# Altium PCB STM32F427IIH6.PcbDoc (part 1 of 3) (continued)
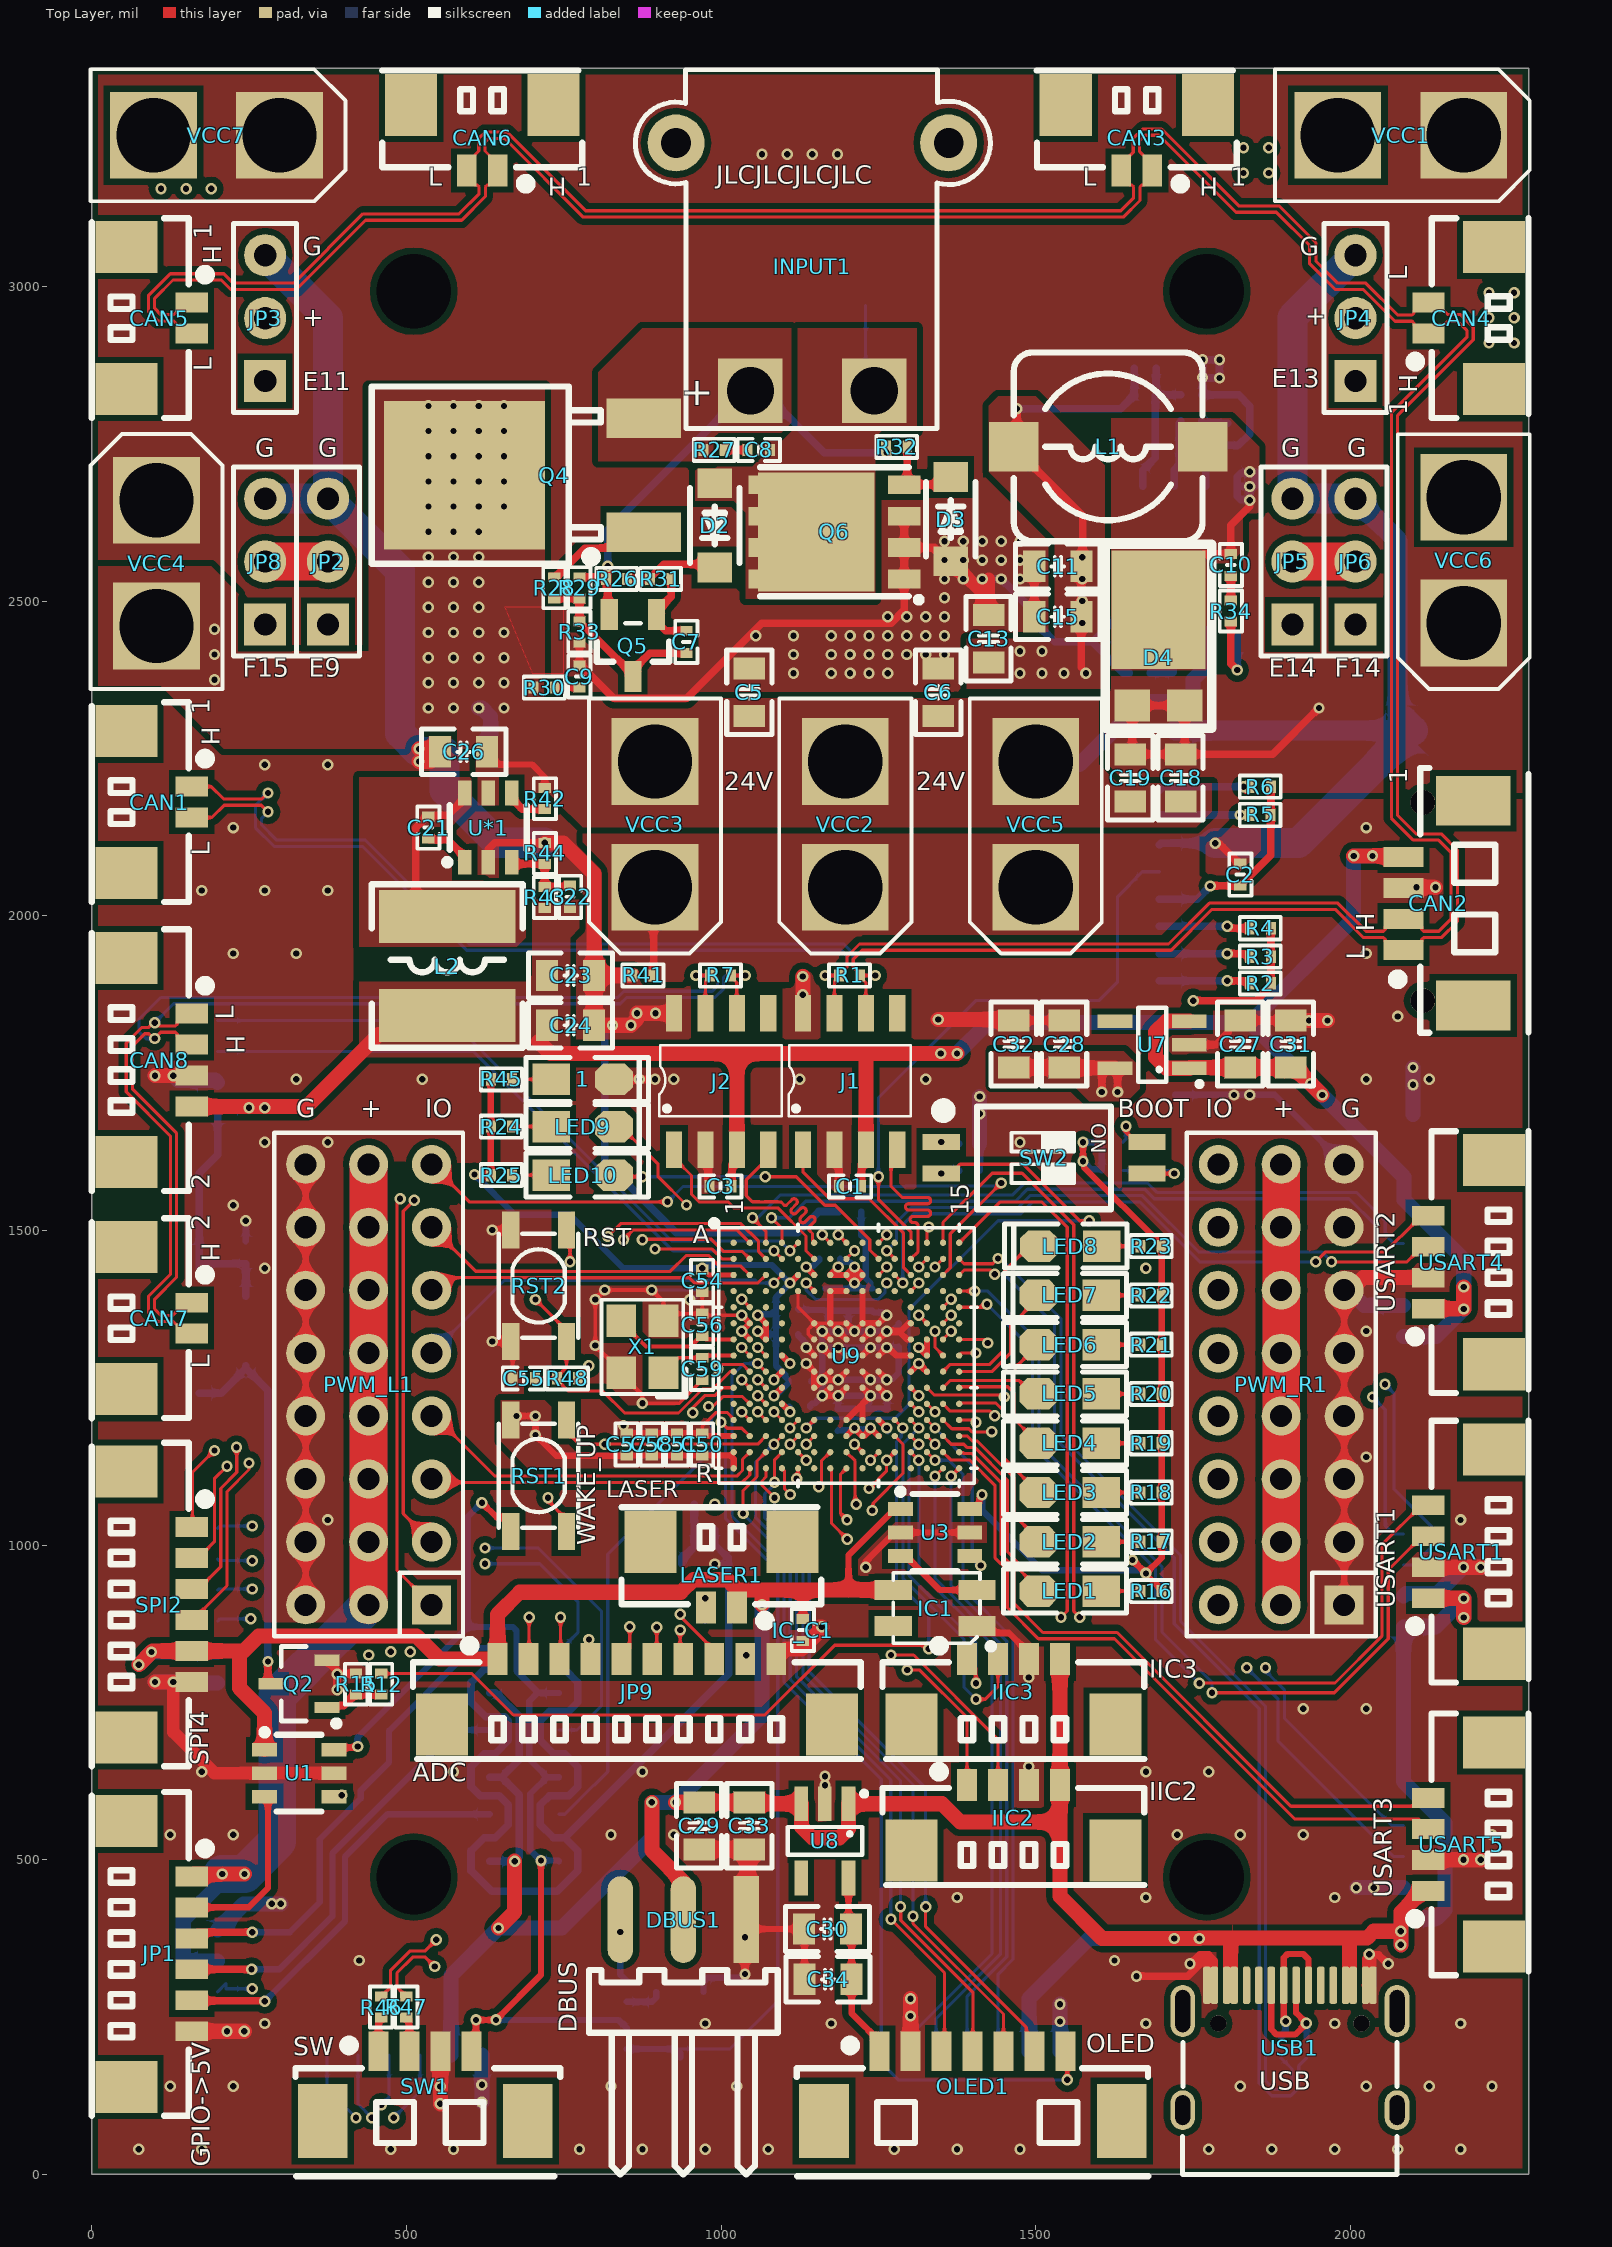
[diagram p0: Top Layer view]
## Components (designator, comment, footprint, x,y, rotation, side; value= is the part's Value field where it differs from the comment)
1 "3V3" "LED 0805R" 780,1740 r0 top
C1 "0.1uF" "C 0402_L" 1205,1570 r0 top
C2 "10uF" "C 0402_L" 1825,2065.31 r270 top
C3 "0.1uF" "C 0402_L" 999.1,1570 r0 top
C4 "10uF" "C 0402_L" 245,1465 r90 bottom
C5 "10uF" "C 0805_L" 1045,2355 r90 top
C6 "0.1uF" "C 0805_L" 1345,2355 r90 top
C7 "0.1uF" "C 0402_L" 945,2435 r90 top
C8 "10nF" "C 0402_L" 1060,2740 r180 top
C9 "10nF" "C 0402_L" 775.01,2380 r270 top
C10 "0.1uF" "C 0402_L" 1810,2557.29 r90 top
C11 "22uF" "C 0805_L" 1535,2555 r0 top
C12 "470pF" "C 0402_L" 1674.02,2870 r180 bottom
C13 "22uF" "C 0805_L" 1425,2440 r270 top
C14 "0.1uF" "C 0805_L" 1535,2555 r0 bottom
C15 "10uF" "C 0805_L" 1535,2475 r0 top
C16 "1uF" "C 0805_L" 1535,2475 r0 bottom
C17 "4.7nF" "C 0402_L" 1805,2765 r270 bottom
C18 "0.1uF" "C 0805_L" 1730,2219.07 r270 top
C19 "10uF" "C 0805_L" 1650,2219.07 r270 top
C20 "47pF" "C 0402_L" 1745.98,2745 r0 bottom
C21 "0.1uF" "C 0402_L" 535,2140 r90 top
C22 "22pF" "C 0402_L" 760,2030 r270 top
C23 "47uF" "C 0805_L" 760.93,1905 r180 top
C24 "0.1uF" "C 0805_L" 760.93,1826.02 r180 top
C25 "10uF" "C 0805_L" 591,2260.31 r0 bottom
C26 "0.1uF" "C 0805_L" 591,2260.31 r0 top
C27 "0.1uF" "C 0805_L" 1825,1796.08 r270 top
C28 "0.1uF" "C 0805_L" 1545,1796.08 r270 top
C29 "0.1uF" "C 0805_L" 965,553.92 r90 top
C30 "0.1uF" "C 0805_L" 1168.92,390 r0 top
C31 "47uF" "C 0805_L" 1905,1796.08 r270 top
C32 "47uF" "C 0805_L" 1465,1796.08 r270 top
C33 "47uF" "C 0805_L" 1045,553.92 r90 top
C34 "47uF" "C 0805_L" 1170,310 r0 top
C35 "4.7uF" "C 0402_L" 1205,1530 r0 bottom
C36 "0.1uF" "C 0402_L" 1105,1375 r180 bottom
C37 "0.1uF" "C 0402_L" 1125,1260 r180 bottom
C38 "0.1uF" "C 0402_L" 1185,1198.82 r270 bottom
C39 "0.1uF" "C 0402_L" 1224.72,1198.82 r270 bottom
C40 "0.1uF" "C 0402_L" 1105,1335 r180 bottom
C41 "0.1uF" "C 0402_L" 850,1160 r270 bottom
C42 "0.1uF" "C 0402_L" 930,1160 r270 bottom
C43 "0.1uF" "C 0402_L" 1300,1275.59 r0 bottom
C44 "0.1uF" "C 0402_L" 970,1420 r90 bottom
C45 "0.1uF" "C 0402_L" 890,1160 r270 bottom
C46 "0.1uF" "C 0402_L" 1202.5,1390 r90 bottom
C47 "0.1uF" "C 0402_L" 1240,1390 r90 bottom
C48 "0.1uF" "C 0402_L" 1300,1315 r0 bottom
C49 "0.1uF" "C 0402_L" 1165,1390 r90 bottom
C50 "0.1uF" "C 0402_L" 970,1160 r270 top
C51 "1uF" "C 0402_L" 930,1160 r270 top
C52 "2.2uF" "C 0402_L" 1265,1198.82 r90 bottom
C53 "2.2uF" "C 0402_L" 1300,1352.36 r180 bottom
C54 "4.7uF" "C 0402_L" 970,1420 r90 top
C55 "0.1uF" "C 0402_L" 686.49,1265 r180 top
C56 "22pF" "C 0402_L" 970,1350 r90 top
C57 "0.1uF" "C 0402_L" 850,1160 r270 top
C58 "1uF" "C 0402_L" 890,1160 r270 top
C59 "22pF" "C 0402_L" 970,1280 r270 top
CAN1 "HDR-1X2" "MX 1.25-LS-2P" 70,2180 r270 top
CAN2 "HDR-1X4" "MX 1.25-WS-4P" 2195,2020 r90 top
CAN3 "HDR-1X2" "MX 1.25-LS-2P" 1660,3273 r180 top
CAN4 "HDR-1X2" "MX 1.25-LS-2P" 2213,2950 r90 top
CAN5 "HDR-1X2" "MX 1.25-LS-2P" 70,2948.91 r270 top
CAN6 "HDR-1X2" "MX 1.25-LS-2P" 620,3273 r180 top
CAN7 "HDR-1X2" "MX 1.25-LS-2P" 70,1360 r270 top
CAN8 "HDR-1X4" "MX 1.25-LS-4P" 70,1770 r270 top
D1 "1N4148" SOD-323 245,1340 r90 bottom
D2 "KDZVTR27B" SOD-123_L2.8-W1.8-LS3.7-RD 990,2620 r90 top
D3 "KDZVTR12B" SOD-123_L2.8-W1.8-LS3.7-RD 1365,2630 r270 top
D4 "SVM860VB" TO-277B_3P-L6.1-W4.3-LS7.0-BR 1695,2410 r270 top
DBUS1 "HDR-1X3" HDR2.54-WS-3P 940,405 r180 top
IC1 "WS2812B" "LED 3528-4Pin" 1340,900 r180 top
IC_C1 "0.1uF" "C 0402_L" 1130,865 r90 top
IIC1 "HDR-1X4" "MX 1.25-WS-4P" 89.35,1760 r90 bottom
IIC2 "HDR-1X4" "MX 1.25-LS-4P" 1465,530 r0 top
IIC3 "HDR-1X4" "MX 1.25-LS-4P" 1465,730 r0 top
INPUT1 "XT30" XT30PW-M 1145,3030.91 r180 top
J1 "TJA1050" SOIC-8_150mil 1130,1628.46 r90 top
J2 "TJA1050" SOIC-8_150mil 925,1628.46 r90 top
JP1 "HDR-1X6" "MX 1.25-LS-6P" 70,350 r270 top
JP2 "HDR-1X3" HDR2.54-LI-3P 375.59,2562.64 r90 top
JP3 "HDR-1X3" HDR2.54-LI-3P 275.59,2949.46 r90 top
JP4 "HDR-1X3" HDR2.54-LI-3P 2007.87,2949.46 r90 top
JP5 "HDR-1X3" HDR2.54-LI-3P 1907.87,2562.64 r90 top
JP6 "HDR-1X3" HDR2.54-LI-3P 2007.87,2562.64 r90 top
JP7 "HDR-1X3" "MX 1.25-WS-3P" 89.35,340 r90 bottom
JP8 "HDR-1X3" HDR2.54-LI-3P 275.59,2562.64 r90 top
JP9 "HDR-1X10" "MX 1.25-LS-10P" 866.72,730 r0 top
L1 "6.8uH" CDRH73 1615,2745 r180 top
L2 "4.7uH" CD53 565,1920 r270 top
LASER1 "HDR-1X2" "MX 1.25-LS-2P" 1000,990 r180 top
LED1 "红色" "LED 0805G" 1554,927 r180 top
LED2 "红色" "LED 0805G" 1554,1005.29 r180 top
LED3 "红色" "LED 0805G" 1554,1083.57 r180 top
LED4 "红色" "LED 0805G" 1554,1161.86 r180 top
LED5 "红色" "LED 0805G" 1554,1240.14 r180 top
LED6 "红色" "LED 0805G" 1554,1318.43 r180 top
LED7 "红色" "LED 0805G" 1554,1396.71 r180 top
LED8 "红色" "LED 0805G" 1555,1475 r180 top
LED9 "红色" "LED 0805R" 780,1665 r0 top
LED10 "红色" "LED 0805R" 780,1587.82 r0 top
LS1 "KLJ-5020" BUZ-SMD_4P-L5.0-W5.0-P3.80-TL 104.03,1340 r180 bottom
OLED1 "HDR-1X7" "MX 1.25-WS-7P" 1400,85 r0 top
PWM_L1 "HDR3*8-left" "PIN-3*8-2.54 - duplicate" 540,905 r90 top
PWM_R1 "HDR3*8-right" "PIN-3*8-2.54 - duplicate" 1990,905 r90 top
Q1 "SS8050" SOT23-3L 975,925 r0 bottom
Q2 "SS8050" SOT23-3L 328.76,779.6 r90 top
Q3 "PMBT3904" SOT-23-3 935,240 r0 bottom
Q4 "IPD90P04P4L04ATMA1" PG-TO252-3 735,2700 r0 top
Q5 "PMBT3906,215" SOT-23-3_L2.9-W1.3-P1.90-LS2.4-BR 860,2429.2 r90 top
Q6 "NVMFS5C604NLAFT1G" PG-TDSON-8_L5.0-W6.0-P1.27-LS6.2-BL-EP 1180,2610 r90 top
R1 "120R" "R 0402_L" 1205.08,1905 r180 top
R2 "10K" "R 0402_L" 1857.71,1892.5 r180 top
R3 "10K" "R 0402_L" 1857.71,1935 r180 top
R4 "10K" "R 0402_L" 1857.71,1980 r180 top
R5 "10K" "R 0402_L" 1857.5,2160 r180 top
R6 "10K" "R 0402_L" 1857.71,2205 r180 top
R7 "120R" "R 0402_L" 1000.08,1905 r180 top
R8 "22R" "R 0402_L" 1930,200.31 r90 bottom
R9 "22R" "R 0402_L" 1890,200.31 r90 bottom
R10 "4.7K" "R 0402_L" 850,215 r90 bottom
R11 "510R" "R 0402_L" 975,1065 r180 bottom
R12 "510R" "R 0402_L" 460,780 r270 top
R13 "4.7K" "R 0402_L" 850,290 r90 bottom
R14 "10K" "R 0402_L" 975,1025 r180 bottom
R15 "10K" "R 0402_L" 420,780 r270 top
R16 "10K" "R 0402_L" 1684.25,927 r180 top
R17 "10K" "R 0402_L" 1684.25,1005.28 r180 top
R18 "10K" "R 0402_L" 1684.25,1083.57 r180 top
R19 "10K" "R 0402_L" 1684.25,1161.85 r180 top
R20 "10K" "R 0402_L" 1684.25,1240.14 r180 top
R21 "10K" "R 0402_L" 1684.25,1318.43 r180 top
R22 "10K" "R 0402_L" 1684.25,1396.71 r180 top
R23 "10K" "R 0402_L" 1684.25,1475 r180 top
R24 "10K" "R 0402_L" 650,1665 r0 top
R25 "10K" "R 0402_L" 650,1587.82 r0 top
R26 "100K" "R 0402_L" 835,2535 r180 top
R27 "33R" "R 0402_L" 990,2740 r180 top
R28 "1K" "R 0402_L" 735,2520 r90 top
R29 "10K" "R 0402_L" 775,2520 r90 top
R30 "33R" "R 0402_L" 720,2362.5 r180 top
R31 "1K" "R 0402_L" 905,2535 r180 top
R32 "100K" "R 0402_L" 1280,2745 r180 top
R33 "14K" "R 0402_L" 775,2450 r90 top
R34 "0R" "R 0402_L" 1810,2485 r270 top
R35 "40.2K" "R 0402_L" 1675,2827.5 r180 bottom
R36 "1M" "R 0402_L" 1735,2385.59 r0 bottom
R37 "17.8K" "R 0402_L" 1747.94,2786.26 r180 bottom
R38 "243K" "R 0402_L" 1625,2450 r90 bottom
R39 "7.68K" "R 0402_L" 1747.94,2827.51 r180 bottom
R40 "200K" "R 0402_L" 1664.13,2385.59 r0 bottom
R41 "0R" "R 0402_L" 875,1905 r0 top
R42 "100K" "R 0402_L" 720,2185 r90 top
R43 "40.2K" "R 0402_L" 720,2030 r270 top
R44 "7.68K" "R 0402_L" 720,2100 r270 top
R45 "10K" "R 0402_L" 650,1740 r0 top
R46 "0R" "R 0402_L" 459.98,265 r90 top
R47 "0R" "R 0402_L" 499.98,265 r90 top
R48 "10K" "R 0402_L" 755,1265 r0 top
R49 "10K" "R 0402_L" 1395.29,1637.85 r180 bottom
R50 "1K" "R 0402_L" 1622.71,1640 r180 bottom
R51 "10K" "R 0402_L" 1395,1595 r180 bottom
R52 "1K" "R 0402_L" 1622.71,1595 r180 bottom
R53 "10K" "R 0402_L" 1173.54,1454.72 r180 bottom
R54 "10K" "R 0402_L" 1125.98,1220 r180 bottom
RST1 "KEY" SMD-3.2*4.2 710,1110.31 r90 top
RST2 "KEY_M" SMD-3.2*4.2 710,1412.11 r270 top
SPI1 "HDR-1X6" "MX 1.25-WS-6P" 1415,85 r180 bottom
SPI2 "HDR-1X6" "MX 1.25-LS-6P" 70,905 r270 top
SPI3 "HDR-1X6" "MX 1.25-WS-6P" 496.43,79.35 r180 bottom
SPI4 "HDR-1X6" "MX 1.25-WS-6P" 89.35,904.36 r90 bottom
SW1 "SWD" "MX 1.25-WS-4P" 529.98,85 r0 top
SW2 "SW-2P" "CSW1.27 SMD-2P" 1513.09,1615.32 r270 top
TF_Card1 "TF_Card" "Micro SD" 2115,2022.48 r270 bottom
TVS1 "SMAJ28CA" SMA(DO-214AC) 1151,2969.31 r0 bottom
U1 "SN74LVC1T45DBVR" SOT-23-6_L2.9-W1.6-P0.95-LS2.8-BL 329.7,637.6 r270 top
U2 "SN74LVC1T45DBVR" SOT-23-6_L2.9-W1.6-P0.95-LS2.8-BL 687.5,802.5 r90 bottom
U3 "SN74LVC1T45DBVR" SOT-23-6_L2.9-W1.6-P0.95-LS2.8-BL 1340,1020 r270 top
U4 "SN74LVC1T45DBVR" SOT-23-6_L2.9-W1.6-P0.95-LS2.8-BL 687.5,668.75 r90 bottom
U5 "SN74LVC1T45DBVR" SOT-23-6_L2.9-W1.6-P0.95-LS2.8-BL 687.5,535 r90 bottom
U6 "TPS54540DDAR" TPS54540 1820,2448 r90 bottom
U7 "RT9013-33GB" SOT23-5M 1685,1795 r90 top
U8 "RT9013-33GB" SOT23-5M 1165,530 r180 top
U9 "STM32F427IIH6" "BGA 176" 1199.13,1301.18 r0 top
U*1 "JW5026" SOT-23-6_L2.9-W1.6-P0.95-LS2.8-BL 630,2140 r0 top
USART1 "HDR-1X4" "MX 1.25-LS-4P" 2212.72,990 r90 top
USART2 "HDR-1X4" "MX 1.25-WS-4P" 2195,943.28 r270 bottom
USART3 "HDR-1X4" "MX 1.25-WS-4P" 2195,479.85 r270 bottom
USART4 "HDR-1X4" "MX 1.25-LS-4P" 2212.72,1450 r90 top
USART5 "HDR-1X4" "MX 1.25-LS-4P" 2212.72,525 r90 top
USART6 "HDR-1X4" "MX 1.25-WS-4P" 2195,1405 r270 bottom
USB1 "USB_Type-C" Type-C-TOP 1903.78,201.42 r270 top
VCC1 "XT30" XT30UPB-F 2080,3240 r180 top
VCC2 "XT30" XT30UPB-F 1197.5,2145 r90 top
VCC3 "XT30" XT30UPB-F 895,2145 r90 top
VCC4 "XT30" XT30UPB-F 103,2560.29 r270 top
VCC5 "XT30" XT30UPB-F 1500,2145 r90 top
VCC6 "XT30" XT30UPB-F 2180,2565 r90 top
VCC7 "XT30" XT30UPB-F 198.29,3240 r180 top
X1 "12M" "OSC 3225-4P" 875,1315 r90 top

## Footprints (in the part's own frame and the unit in brackets; to place one, negate y for a bottom-side part, rotate by r counter-clockwise, add the part's x,y. Pads: shape width x height; smd on the part's side, far side on the other; paste and mask are expansions set on the pad)
"BGA 176" [mil]
  round 10 smd paste+0 mask+2: A1(-179.13,179.13) A2(-153.54,179.13) A3(-127.95,179.13) A4(-102.36,179.13) A5(-76.77,179.13) A6(-51.18,179.13) A7(-25.59,179.13) A8(0,179.13) A9(25.59,179.13) A10(51.18,179.13) A11(76.77,179.13) A12(102.36,179.13) A13(127.95,179.13) A14(153.54,179.13) A15(179.13,179.13) B1(-179.13,153.54) B2(-153.54,153.54) B3(-127.95,153.54) B4(-102.36,153.54) B5(-76.77,153.54) B6(-51.18,153.54) B7(-25.59,153.54) B8(0,153.54) B9(25.59,153.54) B10(51.18,153.54) B11(76.77,153.54) B12(102.36,153.54) B13(127.95,153.54) B14(153.54,153.54) B15(179.13,153.54) C1(-179.13,127.95) C2(-153.54,127.95) C3(-127.95,127.95) C4(-102.36,127.95) C5(-76.77,127.95) C6(-51.18,127.95) C7(-25.59,127.95) C8(0,127.95) C9(25.59,127.95) C10(51.18,127.95) C11(76.77,127.95) C12(102.36,127.95) C13(127.95,127.95) C14(153.54,127.95) C15(179.13,127.95) D1(-179.13,102.36) D2(-153.54,102.36) D3(-127.95,102.36) D4(-102.36,102.36) D5(-76.77,102.36) D6(-51.18,102.36) D7(-25.59,102.36) D8(0,102.36) D9(25.59,102.36) D10(51.18,102.36) D11(76.77,102.36) D12(102.36,102.36) D13(127.95,102.36) D14(153.54,102.36) D15(179.13,102.36) E1(-179.13,76.77) E2(-153.54,76.77) E3(-127.95,76.77) E4(-102.36,76.77) E12(102.36,76.77) E13(127.95,76.77) E14(153.54,76.77) E15(179.13,76.77) F1(-179.13,51.18) F2(-153.54,51.18) F3(-127.95,51.18) F4(-102.36,51.18) F6(-51.18,51.18) F7(-25.59,51.18) F8(0,51.18) F9(25.59,51.18) F10(51.18,51.18) F12(102.36,51.18) F13(127.95,51.18) F14(153.54,51.18) F15(179.13,51.18) G1(-179.13,25.59) G2(-153.54,25.59) G3(-127.95,25.59) G4(-102.36,25.59) G6(-51.18,25.59) G7(-25.59,25.59) G8(0,25.59) G9(25.59,25.59) G10(51.18,25.59) G12(102.36,25.59) G13(127.95,25.59) G14(153.54,25.59) G15(179.13,25.59) H1(-179.13,0) H2(-153.54,0) H3(-127.95,0) H4(-102.36,0) H6(-51.18,0) H7(-25.59,0) H8(0,0) H9(25.59,0) H10(51.18,0) H12(102.36,0) H13(127.95,0) H14(153.54,0) H15(179.13,0) J1(-179.13,-25.59) J2(-153.54,-25.59) J3(-127.95,-25.59) J4(-102.36,-25.59) J6(-51.18,-25.59) J7(-25.59,-25.59) J8(0,-25.59) J9(25.59,-25.59) J10(51.18,-25.59) J12(102.36,-25.59) J13(127.95,-25.59) J14(153.54,-25.59) J15(179.13,-25.59) K1(-179.13,-51.18) K2(-153.54,-51.18) K3(-127.95,-51.18) K4(-102.36,-51.18) K6(-51.18,-51.18) K7(-25.59,-51.18) K8(0,-51.18) K9(25.59,-51.18) K10(51.18,-51.18) K12(102.36,-51.18) K13(127.95,-51.18) K14(153.54,-51.18) K15(179.13,-51.18) L1(-179.13,-76.77) L2(-153.54,-76.77) L3(-127.95,-76.77) L4(-102.36,-76.77) L12(102.36,-76.77) L13(127.95,-76.77) L14(153.54,-76.77) L15(179.13,-76.77) M1(-179.13,-102.36) M2(-153.54,-102.36) M3(-127.95,-102.36) M4(-102.36,-102.36) M5(-76.77,-102.36) M6(-51.18,-102.36) M7(-25.59,-102.36) M8(0,-102.36) M9(25.59,-102.36) M10(51.18,-102.36) M11(76.77,-102.36) M12(102.36,-102.36) M13(127.95,-102.36) M14(153.54,-102.36) M15(179.13,-102.36) N1(-179.13,-127.95) N2(-153.54,-127.95) N3(-127.95,-127.95) N4(-102.36,-127.95) N5(-76.77,-127.95) N6(-51.18,-127.95) N7(-25.59,-127.95) N8(0,-127.95) N9(25.59,-127.95) N10(51.18,-127.95) N11(76.77,-127.95) N12(102.36,-127.95) N13(127.95,-127.95) N14(153.54,-127.95) N15(179.13,-127.95) P1(-179.13,-153.54) P2(-153.54,-153.54) P3(-127.95,-153.54) P4(-102.36,-153.54) P5(-76.77,-153.54) P6(-51.18,-153.54) P7(-25.59,-153.54) P8(0,-153.54) P9(25.59,-153.54) P10(51.18,-153.54) P11(76.77,-153.54) P12(102.36,-153.54) P13(127.95,-153.54) P14(153.54,-153.54) P15(179.13,-153.54) R1(-179.13,-179.13) R2(-153.54,-179.13) R3(-127.95,-179.13) R4(-102.36,-179.13) R5(-76.77,-179.13) R6(-51.18,-179.13) R7(-25.59,-179.13) R8(0,-179.13) R9(25.59,-179.13) R10(51.18,-179.13) R11(76.77,-179.13) R12(102.36,-179.13) R13(127.95,-179.13) R14(153.54,-179.13) R15(179.13,-179.13)
  silkscreen extent -215,-208 208,215, body extent -198,-198 198,198, height 24
BUZ-SMD_4P-L5.0-W5.0-P3.80-TL [mm]
  rect 1x2 smd: 1(-1.7,2.5) 2(-1.7,-2.5) 3(1.7,2.5)
  silkscreen extent -2.6,-2.6 2.6,2.6, body extent -2.5,-2.47 2.5,2.53, height 2.51
"C 0402_L" [mm] "无极性贴片电容         淘宝ID:黄晶宝石"
  rect 0.4x0.5 smd: 1(-0.45,0) 2(0.45,0)
  silkscreen extent -0.85,-0.45 0.85,0.45, body extent -0.5,-0.26 0.5,0.26, height 0.53
"C 0805_L" [mil] "无极性贴片电容                                        淘宝ID:黄晶宝石"
  rect 35x50 smd: 1(-37.4,0) 2(37.4,0)
  silkscreen extent -67,-36 67,36, body extent -39,-24 39,24, height 20
CD53 [mm] "5.8*5.2*3.5mm（长宽高）        淘宝ID:黄晶宝石"
  rect 2.15x5.5 smd: 1(-2,0) 2(2,0)
  silkscreen extent -3.3,-3.05 3.3,3.05, body extent -2.87,-2.5 2.87,2.5, height 3.6
CDRH73 [mm] "7.3*7.3*3.4mm（长宽高）"
  rect 2x2 smd: 1(-3.81,0) 2(3.81,0)
  silkscreen extent -3.81,-3.81 3.81,3.81, body extent -3.65,-3.65 3.65,3.65, height 3.65
"CSW1.27 SMD-2P" [mm] "长：4.14mm，宽：5.4mm，高：2.3mm          淘宝ID:黄晶宝石"
  rect 0.65x1.5 smd: 1(-0.635,-4.15) 2(0.635,-4.15) 3(0.635,4.15) 4(-0.635,4.15)
  silkscreen extent -2.15,-4.31 2.07,2.7, body extent -2.07,-4.35 2.07,4.35, height 2.35
HDR2.54-LI-3P [mm] "排针，3脚"
  rect 1.7x1.7 hole 0.9: 1(-2.54,0)
  round 1.7 hole 0.9: 2(0,0) 3(2.54,0)
  silkscreen extent -3.81,-1.27 3.81,1.27, body extent -3.81,-1.27 3.81,1.27, height 8.5
HDR2.54-WS-3P [mm] "3P卧式贴片排针2.54"
  rect 1.02x3.5 smd: 1(-2.54,0)
  oval 1.02x3.5 smd: 2(0,0) 3(2.54,0)
  silkscreen extent -3.81,2.03 3.81,10.29, body extent -3.81,-0.76 3.81,10.34, height 2.54
"LED 0805G" [mil] "绿色0805LED                              淘宝ID:黄晶宝石"
  rect 60x50 smd: 1(-50,0)
  oct 60x50 smd: 2(50,0)
  silkscreen extent -90,-35 105,35, body extent -39,-25 39,25, height 26
"LED 0805R" [mil] "红色0805LED                                       淘宝ID:黄晶宝石"
  rect 60x50 smd: 1(-50,0)
  oct 60x50 smd: 2(50,0)
  silkscreen extent -90,-35 105,35, body extent -39,-25 39,25, height 32
"LED 3528-4Pin" [mm] "4脚，3528LED                             淘宝ID:黄晶宝石"
  rect 1.5x0.8 smd: 1(-1.689,0.725) 2(-1.689,-0.725) 3(1.689,-0.725) 4(1.689,0.725)
  silkscreen extent -2.37,-1.42 1.69,1.68, body extent -1.88,-1.4 1.62,1.4, height 1.95
"Micro SD" [mm] "淘宝ID:黄晶宝石   店铺网址:https://shop463601444.taobao.com"
  round 1 hole 1 unplated: 0(-4,0) 0(4,0)
  rect 0.7x1.8 smd: 1(3.2,10.627) 2(2.1,10.627) 3(1,10.627) 4(-0.1,10.627) 5(-1.2,10.627) 6(-2.3,10.627) 7(-3.4,10.627) 8(-4.5,10.627) 9(-5.6,10.627)
  rect 2.032x2.2 smd: 10(-6.9,0.4) 10(8.6,0.4)
  rect 1.2x1.4 smd: 10(-6.9,10)
  rect 1.6x1.4 smd: 10(7.8,10)
  silkscreen extent -7.4,-4.28 9.2,11.94, body extent -7.05,-4 8.95,11.25, height 2
"MX 1.25-LS-2P" [mm] "长：7.25m，宽：3.7mm，高：4.7mm"
  rect 2.1x2.5 smd: 0(-2.882,-0.381) 0(2.854,-0.381)
  rect 0.8x1.3 smd: 1(-0.639,2.261) 2(0.611,2.261)
  silkscreen extent -4.04,-1.78 4.02,2.99, body extent -3.83,-1.6 3.83,2.5, height 4.7
"MX 1.25-LS-4P" [mm] "长：9.75m，宽：3.7mm，高：4.7mm"
  rect 2.1x2.5 smd: 0(-4.132,-0.381) 0(4.104,-0.381)
  rect 0.8x1.3 smd: 1(-1.889,2.261) 2(-0.639,2.261) 3(0.611,2.261) 4(1.861,2.261)
  silkscreen extent -5.29,-1.78 5.27,2.99, body extent -5.07,-1.6 5.07,2.5, height 4.7
"MX 1.25-LS-6P" [mm] "长：12.25m，宽：3.7mm，高：4.7mm"
  rect 2.1x2.5 smd: 0(-5.382,-0.381) 0(5.354,-0.381)
  rect 0.8x1.3 smd: 1(-3.139,2.261) 2(-1.889,2.261) 3(-0.639,2.261) 4(0.611,2.261) 5(1.861,2.261) 6(3.111,2.261)
  silkscreen extent -6.54,-1.78 6.52,2.99, body extent -6.32,-1.6 6.32,2.5, height 4.7
"MX 1.25-LS-10P" [mm] "长：17.25m，宽：3.7mm，高：4.7mm"
  rect 2.1x2.5 smd: 0(-7.882,-0.381) 0(7.854,-0.381)
  rect 0.8x1.3 smd: 1(-5.639,2.261) 2(-4.389,2.261) 3(-3.139,2.261) 4(-1.889,2.261) 5(-0.639,2.261) 6(0.611,2.261) 7(1.861,2.261) 8(3.111,2.261) 9(4.361,2.261) 10(5.611,2.261)
  silkscreen extent -9.04,-1.78 9.02,2.99, body extent -8.82,-1.6 8.82,2.5, height 4.7
"MX 1.25-WS-3P" [mm] "长：8.9mm，宽：4.2mm，高：3.4mm"
  rect 2x3 smd: 0(-3.507,0) 0(3.507,0)
  rect 0.8x1.6 smd: 1(-1.264,2.811) 2(-0.014,2.811) 3(1.236,2.811)
  silkscreen extent -4.61,-2.23 4.62,3.25, body extent -4.45,-2.1 4.45,3.09, height 3.4
"MX 1.25-WS-4P" [mm] "长：10.15mm，宽：4.2mm，高：3.4mm"
  rect 2x3 smd: 0(-4.132,0) 0(4.132,0)
  rect 0.8x1.6 smd: 1(-1.889,2.811) 2(-0.639,2.811) 3(0.611,2.811) 4(1.861,2.811)
  silkscreen extent -5.23,-2.23 5.45,3.25, body extent -5.07,-2.1 5.07,3.09, height 3.4
"MX 1.25-WS-6P" [mm] "长：12.65mm，宽：4.2mm，高：3.4mm"
  rect 2x3 smd: 0(-5.382,0) 0(5.382,0)
  rect 0.8x1.6 smd: 1(-3.139,2.811) 2(-1.889,2.811) 3(-0.639,2.811) 4(0.611,2.811) 5(1.861,2.811) 6(3.111,2.811)